# Altium PCB as_x31.PcbDoc (part 4 of 6)
Units mm, origin at the board's own origin, x right, y up, seen from the top; angles counter-clockwise.
Board outline 130 x 100 mm, 6 copper layers (Top Layer, Ground_1, int_1, int_2, Power, Bottom Layer), stack 1.49 mm thick; 421 components, 378 nets, 2561 pads, 1344 vias.
Unrouted connection lines stored in the file: 3.
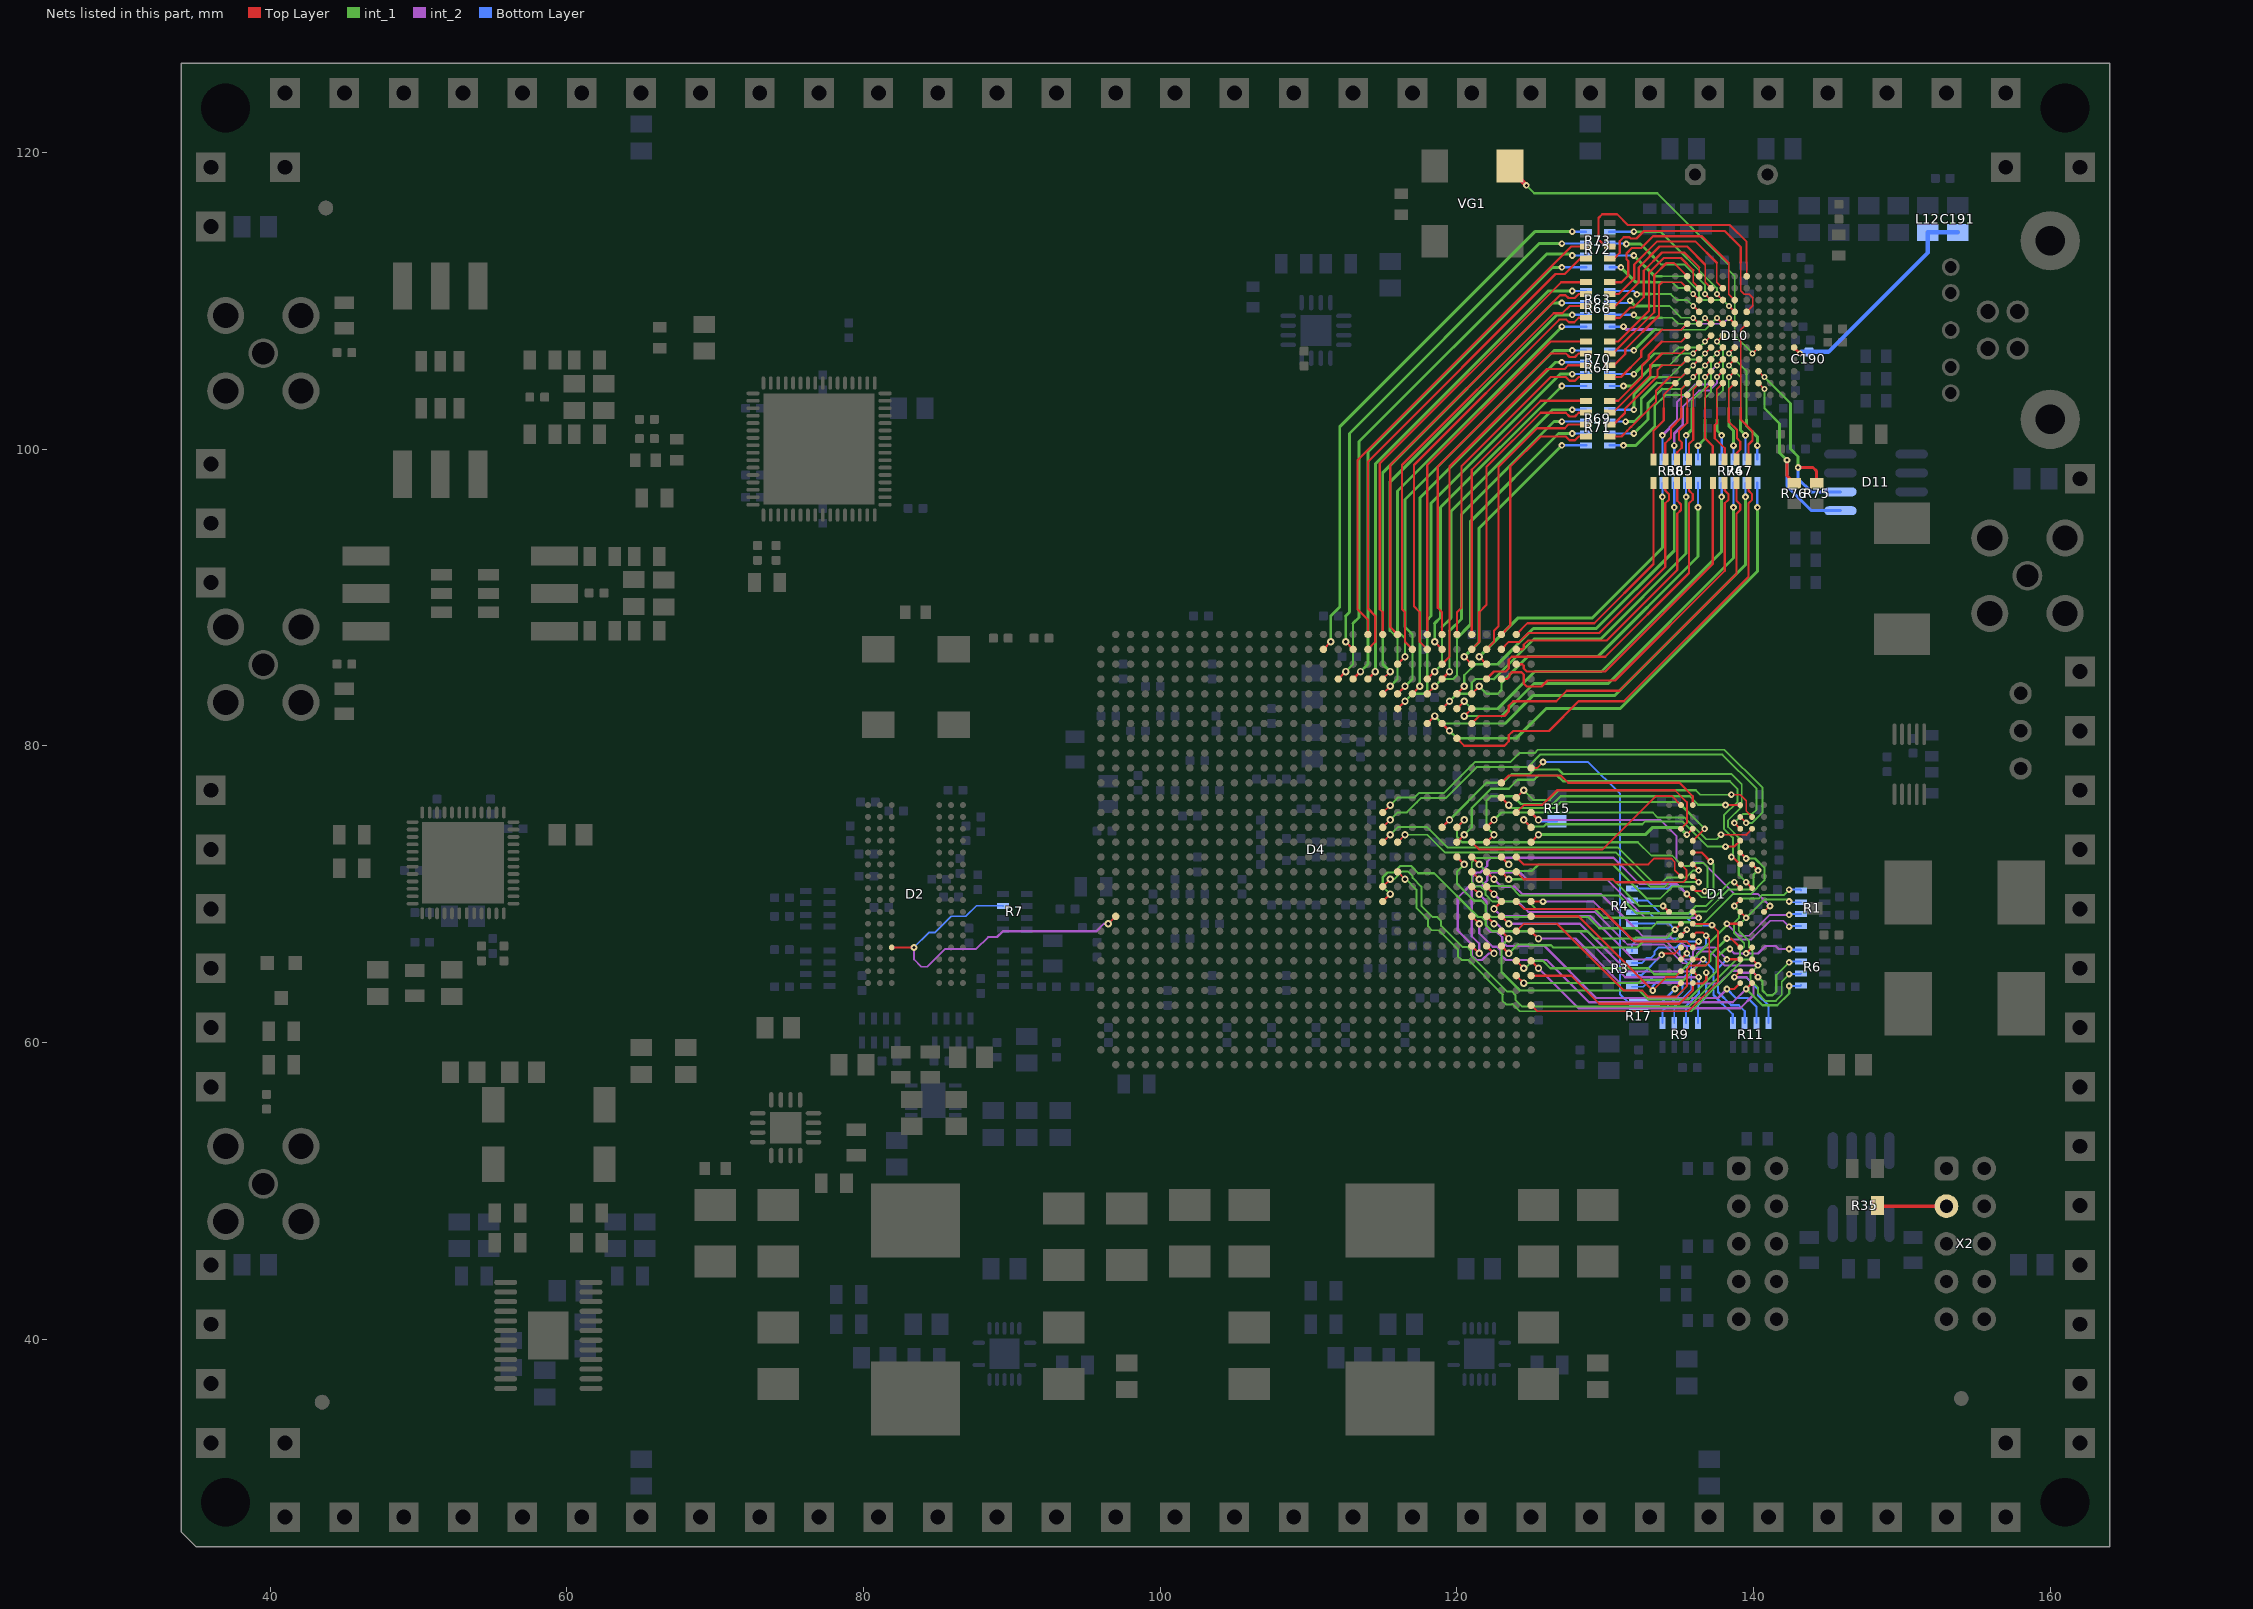
[diagram p8: the nets of this part, all layers, seen from the top]

## Via types
v1: diameter 0.5, hole 0.25, Top Layer to Bottom Layer, 538 vias
v2: diameter 0.45, hole 0.2, Top Layer to Bottom Layer, 348 vias
v3: diameter 0.65, hole 0.3, Top Layer to Bottom Layer, 223 vias
v4: diameter 0.5, hole 0.2, Top Layer to Bottom Layer, 100 vias
v5: diameter 0.4, hole 0.2, Top Layer to Bottom Layer, 83 vias
v6: diameter 0.75, hole 0.4, Top Layer to Bottom Layer, 45 vias
v7: diameter 0.6, hole 0.3, Top Layer to Bottom Layer, 7 vias

## Nets (pads, with @x,y where several pads share a name; then routed paths per layer and width w, separated by ;. In a path a pad name is that pad's centre, name@x,y a point inside that pad or via, vN(x,y) a via of type N, cw(c..) or ccw(c..) an arc to the next point about the centre after c; other vN are vias at no path point) (continued)
AVDD: C190.2 C191.2 D10.A7 L12.2 | length 15.4
  Top Layer w0.2: D10.A7@142.729,106.846 v5(143.129,106.446)
  Bottom Layer w0.3: v5(143.129,106.446) 143.229,106.546 C190.2@143.729,106.546 145.046,106.546 151.75,113.25 L12.2@151.75,114.6 C191.2@153.75,114.6
B_485: R35.2 X2.3 | length 4.7
  Top Layer w0.25: R35.2@148.35,49 148.39,48.96 X2.3@153,48.96
CTRL0: D10.K8 R69.6 | length 7.5
  Top Layer w0.1: 133.829,105.646 135.129,105.646 D10.K8@135.529,106.046
  Top Layer w0.15: R69.6@130.3,101.65 130.55,101.65 130.925,102.025 130.925,102.036 131.189,102.3 131.2,102.3 131.325,102.425 131.325,102.725 133.529,104.929 133.529,105.346 133.829,105.646
CTRL1: D10.K7 R69.7 | length 7.4
  Top Layer w0.1: 133.829,106.446 135.129,106.446 D10.K7@135.529,106.846
  Top Layer w0.15: R69.7@130.3,102.45 130.499,102.45 133.025,104.976 133.025,105.642 133.829,106.446
CTRL2: D10.J7 R64.8 | length 7.1
  Top Layer w0.125: v5(135.929,106.446) D10.J7@136.329,106.846
  int_1 w0.125: 133.829,105.646 134.329,105.646 135.129,106.446 v5(135.929,106.446)
  int_1 w0.15: 133.425,105.646 133.829,105.646
  int_1 w0.2: v2(131.225,104.25) 131.825,104.25 133.221,105.646 133.425,105.646
  Bottom Layer w0.15: R64.8@130.3,104.25 v2(131.225,104.25)
CTRL3: D10.H7 R71.5 | length 9.2
  Top Layer w0.125: v5(136.729,106.446) D10.H7@137.129,106.846
  int_1 w0.125: 133.829,104.846 134.329,104.846 135.529,106.046 136.329,106.046 v5(136.729,106.446)
  int_1 w0.15: 133.083,104.846 133.829,104.846
  int_1 w0.2: v2(131.925,102.65) 131.925,103.688 133.083,104.846
  Bottom Layer w0.15: R71.5@130.275,102.65 v2(131.925,102.65)
CTRL4: D10.G7 R65.8 | length 8.2
  Top Layer w0.125: v5(137.529,106.446) D10.G7@137.929,106.846
  int_1 w0.125: 136.729,102.746 136.729,103.446 137.129,103.846 137.129,106.046 v5(137.529,106.446)
  int_1 w0.15: 136.729,102 136.729,102.746
  int_1 w0.2: v2(136.25,100.225) 136.729,100.704 136.729,102
  Bottom Layer w0.15: R65.8@136.25,99.3 v2(136.25,100.225)
CTRL5: D10.G6 R67.5 | length 9
  Top Layer w0.125: v5(137.529,107.246) D10.G6@137.929,107.646
  int_1 w0.125: 137.529,102.746 137.529,103.546 137.929,103.946 137.929,106.846 v5(137.529,107.246)
  int_1 w0.15: 137.529,102 137.529,102.746
  int_1 w0.2: 137.529,102 137.529,101.246 v2(137.85,100.925)
  Bottom Layer w0.15: R67.5@137.85,99.275 v2(137.85,100.925)
CTRL6: D10.K6 R69.8 | length 7.7
  Top Layer w0.1: 133.829,107.246 135.129,107.246 D10.K6@135.529,107.646
  Top Layer w0.15: R69.8@130.3,103.25 130.875,103.25 132.475,104.85 132.475,105.625 132.925,106.075 132.925,106.342 133.829,107.246
CTRL7: D10.H8 R71.8 | length 10.5
  Top Layer w0.125: v5(136.729,105.646) D10.H8@137.129,106.046
  int_1 w0.125: 134.071,103.646 135.429,103.646 136.329,104.546 136.329,105.246 v5(136.729,105.646)
  int_1 w0.15: 133.338,101.512 133.338,102.912 134.071,103.646
  int_1 w0.2: v2(131.225,100.25) 132.075,100.25 133.338,101.512
  Bottom Layer w0.15: R71.8@130.3,100.25 v2(131.225,100.25)
CTRL8: D10.G5 R64.5 | length 8.7
  Top Layer w0.125: v5(137.529,108.846) D10.G5@137.929,108.446
  int_1 w0.125: 133.829,108.046 136.729,108.046 v5(137.529,108.846)
  int_1 w0.15: 133.321,108.046 133.829,108.046
  int_1 w0.2: v2(131.925,106.65) 133.321,108.046
  Bottom Layer w0.15: R64.5@130.275,106.65 v2(131.925,106.65)
CTRL9: D10.H6 R64.7 | length 7.9
  Top Layer w0.125: v5(136.729,107.246) D10.H6@137.129,107.646
  int_1 w0.125: 133.321,106.446 134.529,106.446 134.929,106.846 136.329,106.846 v5(136.729,107.246)
  int_1 w0.15: 133.05,106.175 133.321,106.446
  int_1 w0.2: v2(131.925,105.05) 133.05,106.175
  Bottom Layer w0.15: R64.7@130.275,105.05 v2(131.925,105.05)
CTRL10: D10.K5 R70.5 | length 7
  Top Layer w0.1: 133.829,108.046 135.129,108.046 D10.K5@135.529,108.446
  Top Layer w0.15: R70.5@130.3,104.85 131.061,104.85 132.425,106.214 132.425,106.642 133.829,108.046
CTRL11: D10.J5 R66.6 | length 6.7
  Top Layer w0.125: v5(135.929,108.846) D10.J5@136.329,108.446
  int_1 w0.125: 133.829,109.646 134.329,109.646 135.129,108.846 v5(135.929,108.846)
  int_1 w0.15: 133.083,109.646 133.829,109.646
  int_1 w0.2: v2(131.675,110) 132.029,109.646 133.083,109.646
  Bottom Layer w0.15: R66.6@130.3,109.85 131.525,109.85 v2(131.675,110)
CTRL12: D10.H5 R66.7 | length 7.4
  Top Layer w0.125: v5(136.729,108.846) D10.H5@137.129,108.446
  int_1 w0.125: 133.829,108.846 134.529,108.846 134.929,108.446 136.329,108.446 v5(136.729,108.846)
  int_1 w0.15: 133.083,108.846 133.829,108.846
  int_1 w0.2: v2(131.925,109.05) 132.129,108.846 133.083,108.846
  Bottom Layer w0.15: R66.7@130.275,109.05 v2(131.925,109.05)
CY_CTRL0: D4.AG29 R69.3 | length 19.7
  Top Layer w0.15: D4.AG29@122,86.5 122.5,87 122.5,87.75 122.8,88.05 122.8,98.8 125.4,101.4 127.261,101.4 127.511,101.65 R69.3@128.7,101.65
CY_CTRL1: D4.AF29 R69.2 | length 21.1
  Top Layer w0.15: D4.AF29@121,86.5 121.5,87 121.5,89 122,89.5 122,98.8 125.65,102.45 127.339,102.45 127.589,102.2 127.961,102.2 128.211,102.45 R69.2@128.7,102.45
CY_CTRL2: D4.AD29 R64.1 | length 23.2
  Top Layer w0.15: v1(118.5,87) D4.AD29@119,86.5
  int_1 w0.15: v1(118.5,87) 118.5,88.25
  int_1 w0.2: 118.5,88.25 118.9,88.65 118.9,96.075 v2(127.075,104.25)
  Bottom Layer w0.15: v2(127.075,104.25) R64.1@128.725,104.25
CY_CTRL3: D4.AC27 R71.4 | length 23.9
  Top Layer w0.15: D4.AC27@118,84.5 v1(118.5,85)
  int_1 w0.15: v1(118.5,85) 119,85.5 119,88
  int_1 w0.2: 119,88 119.6,88.6 119.6,95.8 126.45,102.65 v2(127.775,102.65)
  Bottom Layer w0.15: v2(127.775,102.65) R71.4@128.7,102.65
CY_CTRL4: D4.AF26 R65.1 | length 24.8
  Top Layer w0.15: D4.AF26@121,83.5 v1(121.5,84)
  int_1 w0.15: v1(121.5,84) 122,83.5 122.75,83.5 123,83.75 123,84.25
  int_1 w0.2: 123,84.25 124.75,86 129.5,86 136.25,92.75 v2(136.25,96.075)
  Bottom Layer w0.15: v2(136.25,96.075) R65.1@136.25,97.725
CY_CTRL5: D4.AE25 R67.4 | length 27.3
  Top Layer w0.15: D4.AE25@120,82.5 v1(120.5,83)
  int_1 w0.15: v1(120.5,83) 121,82.5 122.75,82.5
  int_1 w0.2: 122.75,82.5 125.25,85 129.75,85 137.85,93.1 v2(137.85,96.775)
  Bottom Layer w0.15: v2(137.85,96.775) R67.4@137.85,97.7
CY_CTRL6: D4.AF30 R69.1 | length 20.7
  Top Layer w0.15: D4.AF30@121,87.5 121,98.6 125.65,103.25 127.775,103.25 R69.1@128.7,103.25
CY_CTRL7: D4.AF28 R71.1 | length 19.3
  Top Layer w0.15: v1(120.5,86) D4.AF28@121,85.5
  int_1 w0.2: v1(120.5,86) 121.5,87 121.5,94.675 v2(127.075,100.25)
  Bottom Layer w0.15: v2@127.075,100.25 R71.1@128.7,100.25 R71.1@128.725,100.25
CY_CTRL8: D4.AA26 R64.4 | length 30.1
  Top Layer w0.15: D4.AA26@116,83.5 v1(116.5,84)
  int_1 w0.15: v1(116.5,84) 117,84.5 117,87.5 116.5,88
  int_1 w0.2: 116.5,88 116.5,96.6 126.55,106.65 v2(127.775,106.65)
  Bottom Layer w0.15: v2(127.775,106.65) R64.4@128.7,106.65
CY_CTRL9: D4.AA25 R64.2 | length 29.3
  Top Layer w0.15: D4.AA25@116,82.5 v1(116.5,83)
  int_1 w0.15: v1(116.5,83) 117,83.5 117.75,83.5 118,83.75 118,88.5
  int_1 w0.2: 118,88.5 118.25,88.75 118.25,96.35 126.95,105.05 v2(127.775,105.05)
  Bottom Layer w0.15: v2(127.775,105.05) R64.2@128.7,105.05
CY_CTRL10: D4.AE30 R70.4 | length 22.6
  Top Layer w0.15: D4.AE30@120,87.5 120,89 120.3,89.3 120.3,98.825 126.325,104.85 127.339,104.85 127.589,104.6 127.961,104.6 128.093,104.732 128.211,104.85 R70.4@128.7,104.85
CY_CTRL11: D4.Y27 R66.3 | length 32.8
  Top Layer w0.125: D4.Y27@115,84.5 v1(115.5,85)
  int_1 w0.2: v1(115.5,85) 115,85.5 115,98.4 126.45,109.85 v2(127.075,109.85)
  Bottom Layer w0.15: v2(127.075,109.85) R66.3@128.725,109.85
CY_CTRL12: D4.Y26 R66.2 | length 32.8
  Top Layer w0.15: D4.Y26@115,83.5 v1(115.5,84)
  int_1 w0.15: v1(115.5,84) 116,84.5 116,87.25 115.5,87.75
  int_1 w0.2: 115.5,87.75 115.5,97.8 126.75,109.05 v2(127.775,109.05)
  Bottom Layer w0.15: v2(127.775,109.05) R66.2@128.7,109.05
CY_DQ0: D4.AF24 R74.3 | length 28.6
  Top Layer w0.15: D4.AF24@121,81.5 121.5,82 123.2,82 123.5,82.3 123.5,82.7 123.8,83 126.7,83 127.4,83.7 130.95,83.7 138.85,91.6 138.85,95.639 139.1,95.889 139.1,96.261 138.85,96.511 R74.3@138.85,97.7
CY_DQ1: D4.AF25 R67.3 | length 28.3
  Top Layer w0.15: v1(120.5,82) D4.AF25@121,82.5
  int_1 w0.15: v1(120.5,82) 123,82
  int_1 w0.2: 123,82 125.2,84.2 130.2,84.2 138.65,92.65 v2(138.65,96.075)
  Bottom Layer w0.15: v2(138.65,96.075) R67.3@138.65,97.725
CY_DQ2: D4.AD24 R67.1 | length 32.3
  Top Layer w0.15: D4.AD24@119,81.5 v1(119.5,81)
  int_1 w0.15: v1(119.5,81) 120,80.5 124,80.5
  int_1 w0.2: 124,80.5 126,82.5 131,82.5 140.25,91.75 v2(140.25,96.075)
  Bottom Layer w0.15: v2(140.25,96.075) R67.1@140.25,97.725
CY_DQ3: D4.AH27 R74.2 | length 25.4
  Top Layer w0.15: D4.AH27@123,84.5 123.4,84.5 123.55,84.65 123.55,84.8 123.7,84.95 124.35,84.95 124.5,84.8 124.5,84.2 124.7,84 125.7,84 126.1,84.4 130.65,84.4 138.05,91.8 138.05,96.339 138.3,96.589 138.3,96.961 138.05,97.211 R74.2@138.05,97.7
CY_DQ4: D4.AE26 R65.3 | length 23.7
  Top Layer w0.15: D4.AE26@120,83.5 v1(120.5,84)
  int_1 w0.15: v1(120.5,84) 120.5,84.75 121.25,85.5 122.75,85.5
  int_1 w0.2: 122.75,85.5 125.15,87.9 129.4,87.9 134.65,93.15 v2(134.65,96.075)
  Bottom Layer w0.15: v2(134.65,96.075) R65.3@134.65,97.725
CY_DQ5: D4.AC24 R67.2 | length 31.8
  Top Layer w0.15: D4.AC24@118,81.5 v1(118.5,82)
  int_1 w0.15: v1(118.5,82) 119,81.5 123.25,81.5
  int_1 w0.2: 123.25,81.5 125.15,83.4 130.65,83.4 139.45,92.2 v2(139.45,96.775)
  Bottom Layer w0.15: v2(139.45,96.775) R67.2@139.45,97.7
CY_DQ6: D4.AJ28 R74.1 | length 22
  Top Layer w0.15: D4.AJ28@124,85.5 124.4,85.5 124.5,85.4 124.5,85.2 124.7,85 130,85 137.25,92.25 R74.1@137.25,97.7
CY_DQ7: D4.AD25 R65.2 | length 25.8
  Top Layer w0.15: D4.AD25@119,82.5 v1(119.5,83)
  int_1 w0.15: v1(119.5,83) 120,83.5 120.75,83.5 121,83.75 121,84.25 121.25,84.5 122.5,84.5
  int_1 w0.2: 122.5,84.5 125.2,87.2 129.7,87.2 135.45,92.95 v2(135.45,96.775)
  Bottom Layer w0.15: v2(135.45,96.775) R65.2@135.45,97.7
CY_DQ8: D4.AG27 R58.4 | length 23.2
  Top Layer w0.15: D4.AG27@122,84.5 122.5,85 123.3,85 123.5,85.2 123.5,85.8 123.7,86 130,86 135.65,91.65 135.65,96.339 135.9,96.589 135.9,96.961 135.65,97.211 R58.4@135.65,97.7
CY_DQ9: D4.AC26 R71.2 | length 23.5
  Top Layer w0.15: D4.AC26@118,83.5 v1(118.5,84)
  int_1 w0.15: v1(118.5,84) 119,84.5 119.75,84.5 120,84.75 120,87.25
  int_1 w0.2: 120,87.25 120.9,88.15 120.9,95.1 126.85,101.05 v2(127.775,101.05)
  Bottom Layer w0.15: v2(127.775,101.05) R71.2@128.7,101.05
CY_DQ10: D4.AJ29 R58.3 | length 19.2
  Top Layer w0.15: D4.AJ29@124,86.5 124.4,86.5 124.5,86.6 124.5,86.8 124.8,87.1 130.1,87.1 134.85,91.85 134.85,95.639 135.1,95.889 135.1,96.261 134.85,96.511 R58.3@134.85,97.7
CY_DQ11: D4.AJ30 R58.1 | length 16.7
  Top Layer w0.15: D4.AJ30@124,87.5 124.75,88.25 129.25,88.25 133.25,92.25 133.25,97.211 R58.1@133.25,97.7
CY_DQ12: D4.AH29 R58.2 | length 19.2
  Top Layer w0.15: D4.AH29@123,86.5 123.5,87 124.2,87 124.8,87.6 129.6,87.6 134.05,92.05 134.05,96.339 134.3,96.589 134.3,96.961 134.05,97.211 R58.2@134.05,97.7
CY_DQ13: D4.AH30 R69.4 | length 17.7
  Top Layer w0.15: D4.AH30@123,87.5 123.6,88.1 123.6,98.8 125.65,100.85 127.339,100.85 127.589,100.6 127.961,100.6 128.211,100.85 R69.4@128.7,100.85
CY_DQ14: D4.AD27 R71.3 | length 22.7
  Top Layer w0.15: D4.AD27@119,84.5 v1(119.5,85)
  int_1 w0.15: v1(119.5,85) 119.5,87.75
  int_1 w0.2: 119.5,87.75 120.3,88.55 120.3,95.6 126.55,101.85 v2(127.075,101.85)
  Bottom Layer w0.15: v2(127.075,101.85) R71.3@128.725,101.85
CY_DQ15: D4.AG28 R65.4 | length 20.5
  Top Layer w0.15: v1(121.5,86) D4.AG28@122,85.5
  int_1 w0.2: v1(121.5,86) 124.1,88.6 129.1,88.6 133.85,93.35 v2(133.85,96.775)
  Bottom Layer w0.15: v2(133.85,96.775) R65.4@133.85,97.7
CY_DQ16: D4.AD28 R70.3 | length 25.6
  Top Layer w0.15: D4.AD28@119,85.5 119.5,86 119.5,98.825 126.075,105.4 127.261,105.4 127.511,105.65 R70.3@128.7,105.65
CY_DQ17: D4.W27 R66.4 | length 33.7
  Top Layer w0.15: D4.W27@114,84.5 v1(114.5,85)
  int_1 w0.2: v1(114.5,85) 114.5,99 126.15,110.65 v2(127.775,110.65)
  Bottom Layer w0.15: v2(127.775,110.65) R66.4@128.7,110.65
CY_DQ18: D4.AD30 R70.2 | length 24.8
  Top Layer w0.15: D4.AD30@119,87.5 119,89 118.7,89.3 118.7,98.825 126.325,106.45 127.339,106.45 127.589,106.2 127.961,106.2 128.211,106.45 R70.2@128.7,106.45
CY_DQ19: D4.AC30 R70.1 | length 25.6
  Top Layer w0.15: D4.AC30@118,87.5 118,98.925 126.325,107.25 128.211,107.25 R70.1@128.7,107.25
CY_DQ20: D4.V27 R72.1 | length 35.6
  Top Layer w0.15: D4.V27@113,84.5 v1(113.5,85)
  int_1 w0.2: v1(113.5,85) 114,85.5 114,99.8 126.45,112.25 v2(127.075,112.25)
  Bottom Layer w0.15: v2(127.075,112.25) R72.1@128.725,112.25
CY_DQ21: D4.AC29 R63.4 | length 28.7
  Top Layer w0.15: D4.AC29@118,86.5 117.5,87 117.5,89 117.1,89.4 117.1,98.925 126.9,108.725 127.375,108.725 127.55,108.55 127.911,108.55 128.211,108.85 R63.4@128.7,108.85
CY_DQ22: D4.AB29 R63.3 | length 29.6
  Top Layer w0.15: D4.AB29@117,86.5 116.5,87 116.5,89 116.3,89.2 116.3,98.925 126.525,109.15 127.1,109.15 127.6,109.65 R63.3@128.7,109.65
CY_DQ23: D4.V29 R72.3 | length 36.1
  Top Layer w0.15: v1(112.5,87) D4.V29@113,86.5
  int_1 w0.15: v1(112.5,87) 112.5,88.75
  int_1 w0.2: 112.5,88.75 112.75,89 112.75,101.05 125.55,113.85 v2(127.075,113.85)
  Bottom Layer w0.15: v2(127.075,113.85) R72.3@128.725,113.85
CY_DQ24: D4.U27 R72.2 | length 37.2
  Top Layer w0.15: D4.U27@112,84.5 v1(112.5,85)
  int_1 w0.15: v1(112.5,85) 113,85.5 113,88.25
  int_1 w0.2: 113,88.25 113.4,88.65 113.4,100.5 126.05,113.15 127.675,113.15 v2(127.775,113.05)
  Bottom Layer w0.15: v2(127.775,113.05) R72.2@128.7,113.05
CY_DQ25: D4.AA30 R63.2 | length 29.8
  Top Layer w0.15: D4.AA30@116,87.5 115.5,88 115.5,98.925 126.95,110.375 127.325,110.375 127.525,110.175 127.936,110.175 128.211,110.45 R63.2@128.7,110.45
CY_DQ26: D4.T29 R72.4 | length 37.5
  Top Layer w0.15: D4.T29@111,86.5 v1(111.5,87)
  int_1 w0.15: v1(111.5,87) 111.5,88.75
  int_1 w0.2: 111.5,88.75 112.1,89.35 112.1,101.5 125.25,114.65 v2(127.775,114.65)
  Bottom Layer w0.15: v2(127.775,114.65) R72.4@128.7,114.65
CY_DQ27: D4.Y30 R63.1 | length 30.6
  Top Layer w0.15: D4.Y30@115,87.5 115,89 114.8,89.2 114.8,99.025 127.025,111.25 R63.1@128.7,111.25
CY_DQ28: D4.AA28 R66.1 | length 29.4
  Top Layer w0.15: D4.AA28@116,85.5 v1(116.5,86)
  int_1 w0.15: 116,87.75 116.5,87.25 v1(116.5,86)
  int_1 w0.2: 116,87.75 116,97.175 v2(127.075,108.25)
  Bottom Layer w0.15: v2(127.075,108.25) R66.1@128.725,108.25
CY_DQ29: D4.W30 R73.3 | length 33.4
  Top Layer w0.15: D4.W30@114,87.5 114,88.5 113.3,89.2 113.3,99.25 127.7,113.65 R73.3@128.7,113.65
CY_DQ30: D4.AE23 R74.4 | length 31.3
  Top Layer w0.15: D4.AE23@120,80.5 120.5,80 123.2,80 123.5,80.3 123.5,80.7 123.8,81 126.2,81 128.2,83 131.25,83 139.65,91.4 139.65,96.339 139.9,96.589 139.9,96.961 139.65,97.211 R74.4@139.65,97.7
CY_DQ31: D4.W29 R73.4 | length 33.4
  Top Layer w0.15: D4.W29@114,86.5 114.5,87 114.5,88.75 114,89.25 114,99.15 126.65,111.8 127.261,111.8 128.311,112.85 R73.4@128.7,112.85
CY_G: D10.D7 VG1.3 | length 25
  Top Layer w0.125: v5(139.929,106.446) D10.D7@140.329,106.846
  Top Layer w0.3: VG1.3@123.58,119.28 VG1.3@123.58,119.08 123.58,118.88 v2(124.68,117.78)
  int_1 w0.125: 137.883,112.867 138.329,112.421 138.329,112.046 138.729,111.646 138.729,107.646 v5(139.929,106.446)
  int_1 w0.15: v2(124.68,117.78) 125.21,117.25 133.5,117.25 137.883,112.867
CY_PCLK: D4.AB26 R64.3 | length 28.4
  Top Layer w0.15: D4.AB26@117,83.5 v1(117.5,84)
  int_1 w0.15: v1(117.5,84) 117.5,85.336
  int_1 w0.2: 117.5,85.336 117.5,96.7 126.65,105.85 v2(127.075,105.85)
  Bottom Layer w0.15: v2(127.075,105.85) R64.3@128.725,105.85
CY_SCL: D10.D9 D11.6 R75.1 | length 13.7
  Top Layer w0.125: D10.D9@140.329,105.246 v5(140.729,104.846)
  Top Layer w0.2: v2(143,98.75) 144,98.75 144.25,98.5 R75.1@144.25,97.7
  int_1 w0.15: v5(140.729,104.846) 142.5,103.075
  int_1 w0.2: 142.5,103.075 142.5,100 143,99.5 v2(143,98.75)
  Bottom Layer w0.2: v2(143,98.75) 143,98 143.885,97.115 D11.6@145.85,97.115
CY_SDA: D10.D10 D11.5 R76.1 | length 13.8
  Top Layer w0.125: D10.D10@140.329,104.446 v5(140.729,104.046)
  Top Layer w0.2: v2(142.25,99.25) 142.25,98.2 R76.1@142.75,97.7
  int_1 w0.15: v5(140.729,104.046) 140.729,102.746 141.75,101.725
  int_1 w0.2: 141.75,101.725 141.75,99.75 v2(142.25,99.25)
  Bottom Layer w0.2: v2(142.25,99.25) 142.25,97.5 143.905,95.845 D11.5@145.85,95.845
D0: D10.F10 R74.6 | length 5.7
  Top Layer w0.1: 138.329,102.746 138.329,104.046 D10.F10@138.729,104.446
  Top Layer w0.15: 138.329,102.746 138.329,101.846 138.875,101.3 138.875,100.725 139.1,100.5 139.1,99.975 138.85,99.725 R74.6@138.85,99.3
D1: D10.F9 R67.6 | length 6.2
  Top Layer w0.125: v5(138.329,104.846) D10.F9@138.729,105.246
  int_1 w0.125: 138.329,102.746 v5(138.329,104.846)
  int_1 w0.15: 138.329,102 138.329,102.746
  int_1 w0.2: 138.329,102 138.329,101.554 138.65,101.233 v2(138.65,100.225)
  Bottom Layer w0.15: R67.6@138.65,99.3 v2(138.65,100.225)
D2: D10.F7 R67.8 | length 8.5
  Top Layer w0.125: v5(138.329,106.446) D10.F7@138.729,106.846
  int_1 w0.125: v5(138.329,106.446) 139.529,105.246 139.529,102.746
  int_1 w0.15: 139.529,102 139.529,102.746
  int_1 w0.2: 139.529,102 139.529,101.554 140.25,100.833 v2(140.25,100.225)
  Bottom Layer w0.15: R67.8@140.25,99.3 v2(140.25,100.225)
D3: D10.G10 R74.7 | length 5.7
  Top Layer w0.1: 137.529,102.746 137.529,104.046 D10.G10@137.929,104.446
  Top Layer w0.15: 137.529,102.746 137.529,101.754 137.375,101.6 137.375,100.725 138.05,100.05 R74.7@138.05,99.3